# KiCad board ice60-rounded.kicad_pcb
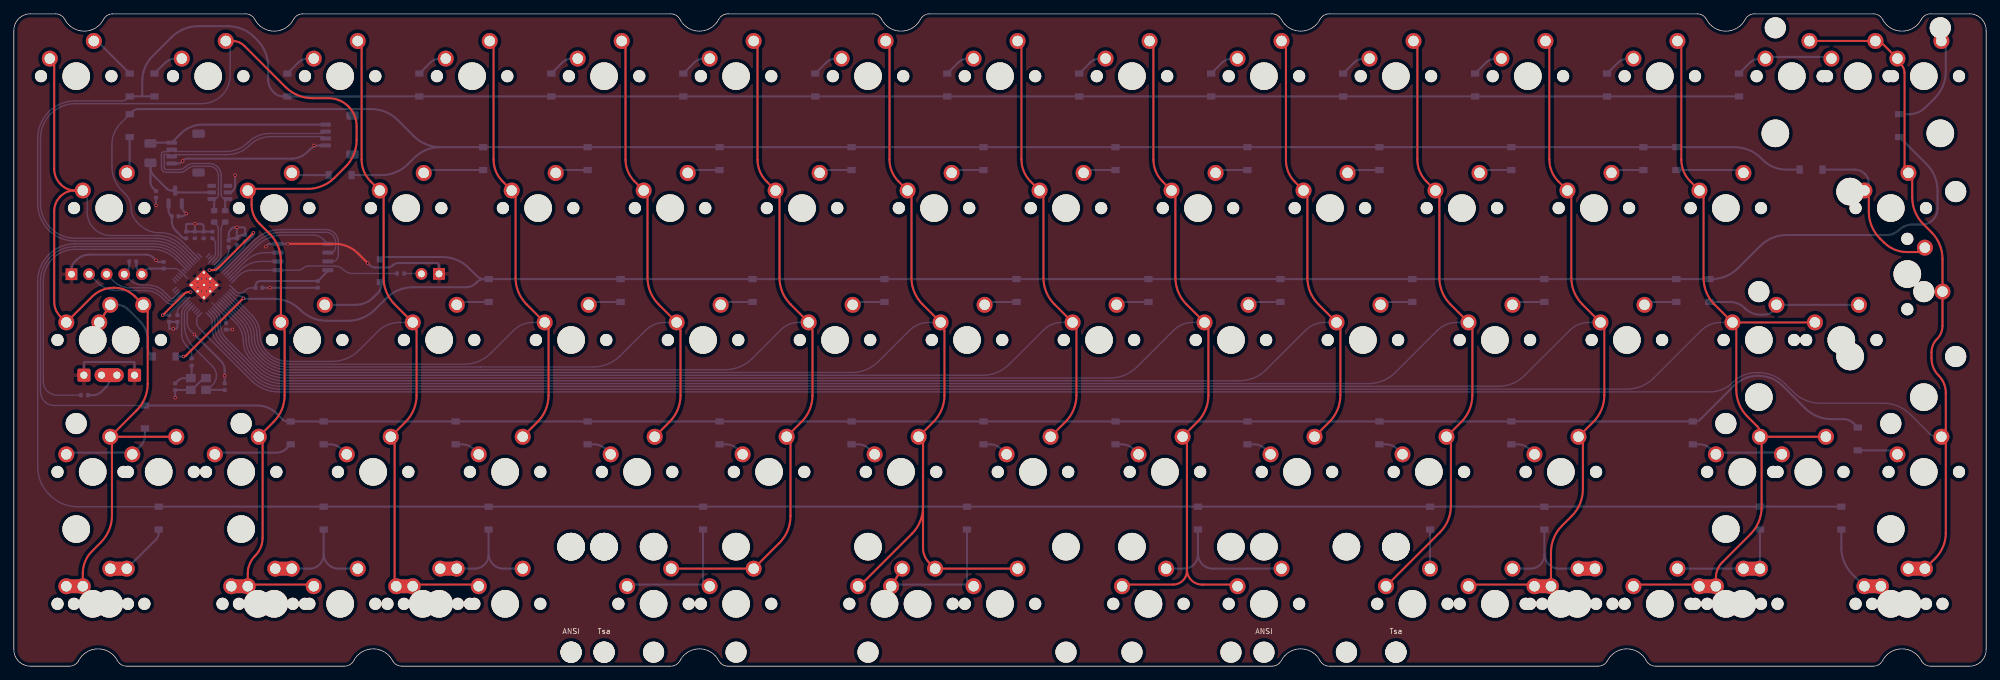
[diagram p0: board, top side]
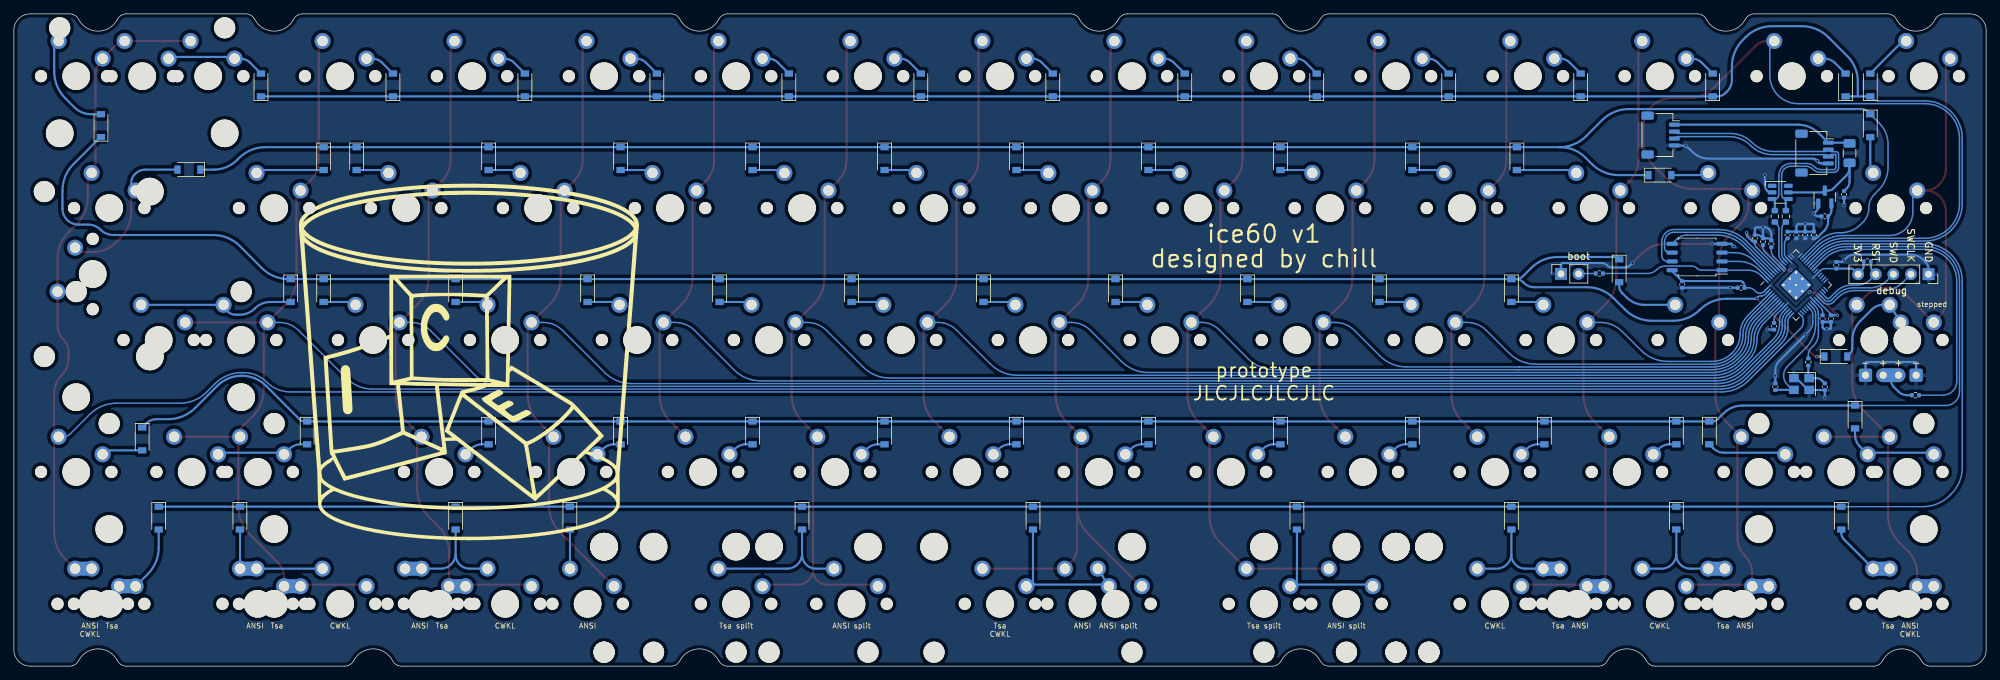
[diagram p1: board, bottom side, seen from below]

Outline 284.7 x 94.2 mm; copper layers: Top, Bottom. Coordinates in mm from the lower left corner of the outline.
Outline path: 0,91.82 0,2.38 arc(0.7,0.7) 2.38,0 8.03,0 arc(8.8,0.22) 9.36,0.81 arc(12.15,2.5) 14.94,0.81 arc(15.5,0.22) 16.27,0 47.74,0 arc(48.52,0.22) 49.07,0.81 arc(51.86,2.5) 54.66,0.81 arc(55.21,0.22) 55.99,0 94.83,0 arc(95.6,0.22) 96.16,0.81 arc(98.95,2.5) 101.74,0.81 arc(102.3,0.22) 103.07,0 181.63,0 arc(182.4,0.22) 182.96,0.81 arc(185.75,2.5) 188.54,0.81 arc(189.1,0.22) 189.87,0 228.71,0 arc(229.49,0.22) 230.04,0.81 arc(232.84,2.5) 235.63,0.81 arc(236.18,0.22) 236.96,0 268.43,0 arc(269.2,0.22) 269.76,0.81 arc(272.55,2.5) 275.34,0.81 arc(275.9,0.22) 276.67,0 282.32,0 arc(284,0.7) 284.7,2.38 284.7,91.82 arc(284,93.5) 282.32,94.2 276.67,94.2 arc(275.9,93.98) 275.34,93.39 arc(272.55,91.7) 269.76,93.39 arc(269.2,93.98) 268.43,94.2 251.25,94.2 arc(250.47,93.98) 249.92,93.39 arc(247.12,91.7) 244.33,93.39 arc(243.78,93.98) 243,94.2 189.87,94.2 arc(189.1,93.98) 188.54,93.39 arc(185.75,91.7) 182.96,93.39 arc(182.4,93.98) 181.63,94.2 132.19,94.2 arc(131.41,93.98) 130.86,93.39 arc(128.06,91.7) 125.27,93.39 arc(124.72,93.98) 123.94,94.2 103.07,94.2 arc(102.3,93.98) 101.74,93.39 arc(98.95,91.7) 96.16,93.39 arc(95.6,93.98) 94.83,94.2 41.7,94.2 arc(40.92,93.98) 40.37,93.39 arc(37.58,91.7) 34.78,93.39 arc(34.23,93.98) 33.45,94.2 14.27,94.2 arc(13.5,93.98) 12.94,93.39 arc(10.15,91.7) 7.36,93.39 arc(6.8,93.98) 6.03,94.2 2.38,94.2 arc(0.7,93.5) 0,91.82
Stack: Top 0.035mm / dielectric 1.51mm FR4 er 4.5 / Bottom 0.035mm

## Placement (name value [footprint] x y rotation side)
C1  100nF  [C_0402_1005Metric]  43.87 55.12 270 bottom
C2  1uF  [C_0402_1005Metric]  20.51 68.13 90 bottom
C3  1uF  [C_0402_1005Metric]  23.29 64.96 180 bottom
C4  22pF  [C_0402_1005Metric]  30.43 40.35 270 bottom
C5  22pF  [C_0402_1005Metric]  23.29 40.35 90 bottom
C6  1uF  [C_0402_1005Metric]  33.39 61.79 90 bottom
C7  100nF  [C_0402_1005Metric]  28.66 62.26 90 bottom
C8  100nF  [C_0402_1005Metric]  22.41 50.19 270 bottom
C9  4.7uF  [C_0402_1005Metric]  24.88 62.26 90 bottom
C10  1uF  [C_0402_1005Metric]  35.38 54.64 0 bottom
C11  100nF  [C_0402_1005Metric]  26.12 62.26 90 bottom
C12  100nF  [C_0402_1005Metric]  32.2 61.31 90 bottom
C13  100nF  [C_0402_1005Metric]  21.62 57.89 90 bottom
C14  100nF  [C_0402_1005Metric]  23.6 50.19 270 bottom
C15  100nF  [C_0402_1005Metric]  27.39 62.26 90 bottom
C16  100nF  [C_0402_1005Metric]  31.01 60.99 90 bottom
C17  100nF  [C_0402_1005Metric]  30.61 49.09 270 bottom
D1  D_Small  [D_SOD-123]  16.72 83.93 90 bottom
D2  D_Small  [D_SOD-123]  20.29 83.93 90 bottom
D3  D_Small  [D_SOD-123]  39.48 83.93 90 bottom
D4  D_Small  [D_SOD-123]  58.53 83.93 90 bottom
D5  D_Small  [D_SOD-123]  77.58 83.93 90 bottom
D6  D_Small  [D_SOD-123]  96.63 83.93 90 bottom
D7  D_Small  [D_SOD-123]  115.68 83.93 90 bottom
D8  D_Small  [D_SOD-123]  134.73 83.93 90 bottom
D9  D_Small  [D_SOD-123]  153.78 83.93 90 bottom
D10  D_Small  [D_SOD-123]  172.83 83.93 90 bottom
D11  D_Small  [D_SOD-123]  191.88 83.93 90 bottom
D12  D_Small  [D_SOD-123]  210.93 83.93 90 bottom
D13  D_Small  [D_SOD-123]  229.98 83.93 90 bottom
D14  D_Small  [D_SOD-123]  249.03 83.93 90 bottom
D15  D_Small  [D_SOD-123]  16.72 78.06 270 bottom
D16  D_Small  [D_SOD-123]  47.1 70.91 180 bottom
D17  D_Small  [D_SOD-123]  67.74 73.29 270 bottom
D18  D_Small  [D_SOD-123]  82.82 73.29 270 bottom
D19  D_Small  [D_SOD-123]  101.87 73.29 270 bottom
D20  D_Small  [D_SOD-123]  120.92 73.29 270 bottom
D21  D_Small  [D_SOD-123]  139.97 73.29 270 bottom
D22  D_Small  [D_SOD-123]  159.02 73.29 270 bottom
D23  D_Small  [D_SOD-123]  178.07 73.29 270 bottom
D24  D_Small  [D_SOD-123]  197.12 73.29 270 bottom
D25  D_Small  [D_SOD-123]  216.17 73.29 270 bottom
D26  D_Small  [D_SOD-123]  235.22 73.29 270 bottom
D27  D_Small  [D_SOD-123]  239.98 73.29 270 bottom
D28  D_Small  [D_SOD-123]  259.43 71.71 0 bottom
D29  D_Small  [D_SOD-123]  21.7 44.72 180 bottom
D30  D_Small  [D_SOD-123]  52.97 57.1 270 bottom
D31  D_Small  [D_SOD-123]  68.53 54.24 270 bottom
D32  D_Small  [D_SOD-123]  87.58 54.24 270 bottom
D33  D_Small  [D_SOD-123]  106.63 54.24 270 bottom
D34  D_Small  [D_SOD-123]  125.68 54.24 270 bottom
D35  D_Small  [D_SOD-123]  144.73 54.24 270 bottom
D36  D_Small  [D_SOD-123]  163.78 54.24 270 bottom
D37  D_Small  [D_SOD-123]  182.83 54.24 270 bottom
D38  D_Small  [D_SOD-123]  201.88 54.24 270 bottom
D39  D_Small  [D_SOD-123]  220.93 54.24 270 bottom
D40  D_Small  [D_SOD-123]  239.98 54.24 270 bottom
D41  D_Small  [D_SOD-123]  244.74 54.24 270 bottom
D42  D_Small  [D_SOD-123]  272.13 78.06 90 bottom
D43  D_Small  [D_SOD-123]  18.92 35.99 270 bottom
D44  D_Small  [D_SOD-123]  39.96 33.69 270 bottom
D45  D_Small  [D_SOD-123]  44.72 33.69 270 bottom
D46  D_Small  [D_SOD-123]  63.77 33.69 270 bottom
D47  D_Small  [D_SOD-123]  82.82 33.69 270 bottom
D48  D_Small  [D_SOD-123]  101.87 33.69 270 bottom
D49  D_Small  [D_SOD-123]  120.92 33.69 270 bottom
D50  D_Small  [D_SOD-123]  139.97 33.69 270 bottom
D51  D_Small  [D_SOD-123]  159.02 33.69 270 bottom
D52  D_Small  [D_SOD-123]  178.07 33.69 270 bottom
D53  D_Small  [D_SOD-123]  197.12 33.69 270 bottom
D54  D_Small  [D_SOD-123]  216.17 33.69 270 bottom
D55  D_Small  [D_SOD-123]  242.36 33.69 270 bottom
D56  D_Small  [D_SOD-123]  266.18 32.81 270 bottom
D57  D_Small  [D_SOD-123]  20.91 21.38 270 bottom
D58  D_Small  [D_SOD-123]  44.72 21.38 270 bottom
D59  D_Small  [D_SOD-123]  68.53 21.38 270 bottom
D60  D_Small  [D_SOD-123]  99.49 21.38 270 bottom
D61  D_Small  [D_SOD-123]  137.59 21.38 270 bottom
D62  D_Small  [D_SOD-123]  170.93 21.38 270 bottom
D63  D_Small  [D_SOD-123]  204.44 21.38 270 bottom
D64  D_Small  [D_SOD-123]  220.93 21.38 270 bottom
D65  D_Small  [D_SOD-123]  252.07 21.38 270 bottom
D66  D_Small  [D_SOD-123]  263.79 21.38 270 bottom
D67  LED  [LED_MX_3mm]  16.14 42.02 0 top
D68  LED  [LED_MX_3mm-FLIPPED]  11.38 42.02 0 top
F1  500mA  [Fuse_1206_3216Metric]  19.72 74.09 270 bottom
G***  -  [LOGO]  218.95 43.92 180 bottom
J1  SWD  [PinSocket_1x05_P2.54mm_Vertical]  8.32 56.6 270 bottom
J2  JST SH 4-pin  [JST_SH_SM04B-SRSS-TB_1x04-1MP_P1.00mm_Horizontal]  24.78 74.09 270 bottom
J2#2  JST SH 4-pin  [JST_SH_SM04B-SRSS-TB_1x04-1MP_P1.00mm_Horizontal]  47 76.7 270 bottom
R1  1k  [R_0402_1005Metric]  17.16 58.43 180 bottom
R2  27R  [R_0603_1608Metric]  30.5 64.96 270 bottom
R3  27R  [R_0603_1608Metric]  28.92 64.96 270 bottom
R4  1k  [R_0402_1005Metric]  55.83 56.7 180 bottom
R5  1k  [R_0402_1005Metric]  25.67 43.92 90 bottom
R6  470R  [R_0402_1005Metric]  10.19 39.13 0 bottom
REF**  -  [STAB_MX_6.25u]  130.44 9 180 top
REF**#2  -  [STAB_MX_ISO_FLIPPED]  273.32 56.62 0 top
REF**#3  -  [STAB_MX_2.25u]  263.79 47.1 0 top
REF**#4  -  [STAB_MX_2.25u]  20.91 28.05 0 top
REF**#5  -  [STAB_MX_2.75u]  163.78 9 180 top
REF**#6  -  [STAB_MX_2u]  266.18 85.2 0 top
REF**#7  -  [STAB_MX_2.25u]  92.34 9 180 top
REF**#8  -  [STAB_MX_2.75u]  259.03 28.05 0 top
REF**#9  -  [STAB_MX_7u]  142.35 9 180 top
REF**#10  -  [STAB_MX_3u]  180.45 9 180 top
REF**#11  -  [STAB_MX_3u]  104.25 9 180 top
REF**#12  -  [STAB_MX_6.25u]  142.35 9 180 top
SW0  SW_Push  [PinSocket_1x02_P2.54mm_Vertical]  61.37 56.65 90 bottom
SW1  MX_SW_solder  [SW_MX_1u]  9 85.2 0 top
SW2  MX_SW_solder  [SW_MX_1u]  28.05 85.2 0 top
SW3  MX_SW_solder  [SW_MX_1u]  47.1 85.2 0 top
SW4  MX_SW_solder  [SW_MX_1u]  66.15 85.2 0 top
SW5  MX_SW_solder  [SW_MX_1u]  85.2 85.2 0 top
SW6  MX_SW_solder  [SW_MX_1u]  104.25 85.2 0 top
SW7  MX_SW_solder  [SW_MX_1u]  123.3 85.2 0 top
SW8  MX_SW_solder  [SW_MX_1u]  142.35 85.2 0 top
SW9  MX_SW_solder  [SW_MX_1u]  161.4 85.2 0 top
SW10  MX_SW_solder  [SW_MX_1u]  180.45 85.2 0 top
SW11  MX_SW_solder  [SW_MX_1u]  199.5 85.2 0 top
SW12  MX_SW_solder  [SW_MX_1u]  218.55 85.2 0 top
SW13  MX_SW_solder  [SW_MX_1u]  237.6 85.2 0 top
SW14  MX_SW_solder  [SW_MX_1u]  256.65 85.2 0 top
SW15  MX_SW_solder  [SW_MX_1u]  266.18 85.2 0 top
SW16  MX_SW_solder  [SW_MX_1.5u]  13.76 66.15 0 top
SW17  MX_SW_solder  [SW_MX_1u]  37.58 66.15 0 top
SW18  MX_SW_solder  [SW_MX_1u]  56.62 66.15 0 top
SW19  MX_SW_solder  [SW_MX_1u]  75.67 66.15 0 top
SW20  MX_SW_solder  [SW_MX_1u]  94.73 66.15 0 top
SW21  MX_SW_solder  [SW_MX_1u]  113.77 66.15 0 top
SW22  MX_SW_solder  [SW_MX_1u]  132.82 66.15 0 top
SW23  MX_SW_solder  [SW_MX_1u]  151.88 66.15 0 top
SW24  MX_SW_solder  [SW_MX_1u]  170.93 66.15 0 top
SW25  MX_SW_solder  [SW_MX_1u]  189.98 66.15 0 top
SW26  MX_SW_solder  [SW_MX_1u]  209.02 66.15 0 top
SW27  MX_SW_solder  [SW_MX_1u]  228.07 66.15 0 top
SW28  MX_SW_solder  [SW_MX_1u]  247.12 66.15 0 top
SW29  MX_SW_solder  [SW_MX_1.5u]  270.94 66.15 0 top
SW30  MX_SW_solder  [SW_MX_1u]  273.32 56.62 270 top
SW31  MX_SW_solder  [SW_MX_1.75u_stp]  11.38 47.1 0 top
SW32  MX_SW_solder  [SW_MX_1.75u]  16.14 47.1 0 top
SW33  MX_SW_solder  [SW_MX_1u]  42.34 47.1 0 top
SW34  MX_SW_solder  [SW_MX_1u]  61.39 47.1 0 top
SW35  MX_SW_solder  [SW_MX_1u]  80.44 47.1 0 top
SW36  MX_SW_solder  [SW_MX_1u]  99.49 47.1 0 top
SW37  MX_SW_solder  [SW_MX_1u]  118.54 47.1 0 top
SW38  MX_SW_solder  [SW_MX_1u]  137.59 47.1 0 top
SW39  MX_SW_solder  [SW_MX_1u]  156.64 47.1 0 top
SW40  MX_SW_solder  [SW_MX_1u]  175.69 47.1 0 top
SW41  MX_SW_solder  [SW_MX_1u]  194.74 47.1 0 top
SW42  MX_SW_solder  [SW_MX_1u]  213.79 47.1 0 top
SW43  MX_SW_solder  [SW_MX_1u]  232.84 47.1 0 top
SW44  MX_SW_solder  [SW_MX_1u]  251.89 47.1 0 top
SW45  MX_SW_solder  [SW_MX_1u]  263.79 47.1 0 top
SW46  MX_SW_solder  [SW_MX_1u]  275.7 85.2 0 top
SW47  MX_SW_solder  [SW_MX_1.25u]  11.38 28.05 0 top
SW48  MX_SW_solder  [SW_MX_1u]  20.91 28.05 0 top
SW49  MX_SW_solder  [SW_MX_1u]  32.81 28.05 0 top
SW50  MX_SW_solder  [SW_MX_1u]  51.86 28.05 0 top
SW51  MX_SW_solder  [SW_MX_1u]  70.91 28.05 0 top
SW52  MX_SW_solder  [SW_MX_1u]  89.96 28.05 0 top
SW53  MX_SW_solder  [SW_MX_1u]  109.01 28.05 0 top
SW54  MX_SW_solder  [SW_MX_1u]  128.06 28.05 0 top
SW55  MX_SW_solder  [SW_MX_1u]  147.11 28.05 0 top
SW56  MX_SW_solder  [SW_MX_1u]  166.16 28.05 0 top
SW57  MX_SW_solder  [SW_MX_1u]  185.21 28.05 0 top
SW58  MX_SW_solder  [SW_MX_1u]  204.26 28.05 0 top
SW59  MX_SW_solder  [SW_MX_1u]  223.31 28.05 0 top
SW60  MX_SW_solder  [SW_MX_1.75u]  249.51 28.05 0 top
SW61  MX_SW_solder  [SW_MX_1u]  259.03 28.05 0 top
SW62  MX_SW_solder  [SW_MX_1u]  275.7 28.05 0 top
SW63  MX_SW_solder  [SW_MX_1.25u]  11.38 9 0 top
SW64  MX_SW_solder  [SW_MX_1.5u]  13.76 9 0 top
SW65  MX_SW_solder  [SW_MX_1.25u]  35.19 9 0 top
SW66  MX_SW_solder  [SW_MX_1u]  37.58 9 0 top
SW67  MX_SW_solder  [SW_MX_1.25u]  47.1 9 0 top
SW68  MX_SW_solder  [SW_MX_1.25u]  59.01 9 0 top
SW69  MX_SW_solder  [SW_MX_1.5u]  61.39 9 0 top
SW70  MX_SW_solder  [SW_MX_1.25u]  70.91 9 0 top
SW71  MX_SW_solder  [SW_MX_1u]  92.34 9 0 top
SW72  MX_SW_solder  [SW_MX_1u]  104.25 9 0 top
SW73  MX_SW_solder  [SW_MX_1u]  130.44 9 0 top
SW74  MX_SW_solder  [SW_MX_1.25u]  125.68 9 0 top
SW75  MX_SW_solder  [SW_MX_1u]  142.35 9 0 top
SW76  MX_SW_solder  [SW_MX_1u]  163.78 9 0 top
SW77  MX_SW_solder  [SW_MX_1u]  180.45 9 0 top
SW78  MX_SW_solder  [SW_MX_1.25u]  201.88 9 0 top
SW79  MX_SW_solder  [SW_MX_1.25u]  225.69 9 0 top
SW80  MX_SW_solder  [SW_MX_1.5u]  223.31 9 0 top
SW81  MX_SW_solder  [SW_MX_1.25u]  213.79 9 0 top
SW82  MX_SW_solder  [SW_MX_1.25u]  249.51 9 0 top
SW83  MX_SW_solder  [SW_MX_1u]  247.12 9 0 top
SW84  MX_SW_solder  [SW_MX_1.25u]  237.6 9 0 top
SW85  MX_SW_solder  [SW_MX_1.25u]  273.32 9 0 top
SW86  MX_SW_solder  [SW_MX_1.5u]  270.94 9 0 top
U1  RP2040  [RP2040-QFN-56]  27.44 55.04 135 bottom
U2  W25Q128JVS  [SOIC-8_5.23x5.23mm_P1.27mm]  41.73 59.09 0 bottom
U3  XC6206PxxxMR  [SOT-23]  23.29 67.74 90 bottom
U4  SRV05-4  [SOT-23-6-routable]  29.73 68.41 180 bottom
Y1  12MHz  [Crystal_SMD_3225-4Pin_3.2x2.5mm]  26.64 40.75 0 bottom

## Library data of the parts
C1 C7 C8 C11-C17 = -: LCSC: C1525
C2 C3 C6 C10 = -: LCSC: C52923
C4 C5 = -: LCSC: C1555
C9 = -: LCSC: C15525
D1-D66 = -: LCSC: C81598
F1 = -: LCSC: C135342
J2 J2#2 = -: LCSC: C160404; Field5: JST
R1 R4 R5 = -: LCSC: C11702
R2 R3 = -: LCSC: C25190
R6 = -: LCSC: C25117
REF**#12 = -: Field4: CWKL; Field5: CWKL
SW71 SW72 SW74 SW76 SW77 = -: Field5: split
U1 = -: LCSC: C2040
U2 = -: LCSC: C131025
U3 = -: LCSC: C5446
U4 = -: LCSC: C85364
Y1 = -: LCSC: C9002

## Footprints (pads in the part's own frame, mm; a bottom-side part is the same pattern mirrored in y, then rotated)
C_0402_1005Metric
  rrect 0.56x0.62 smd: 1(-0.48,0) 2(0.48,0)
Crystal_SMD_3225-4Pin_3.2x2.5mm
  rect 1.4x1.2 smd: 1(-1.1,-0.85) 2(1.1,-0.85) 3(1.1,0.85) 4(-1.1,0.85)
D_SOD-123
  rect 0.9x1.2 smd: 1(-1.65,0) 2(1.65,0)
Fuse_1206_3216Metric
  rrect 1.25x1.75 smd: 1(-1.4,0) 2(1.4,0)
JST_SH_SM04B-SRSS-TB_1x04-1MP_P1.00mm_Horizontal
  rrect 0.6x1.55 smd: 1(-1.5,2) 2(-0.5,2) 3(0.5,2) 4(1.5,2)
  rrect 1.2x1.8 smd: MP(-2.8,-1.875) MP(2.8,-1.875)
LED_MX_3mm
  rrect 1.905x1.905 hole 1.04: 1(1.27,0)
  round 1.905 hole 1.04: 2(-1.27,0)
LED_MX_3mm-FLIPPED
  rrect 1.905x1.905 hole 1.04: 1(-1.27,0)
  round 1.905 hole 1.04: 2(1.27,0)
PinSocket_1x02_P2.54mm_Vertical
  rect 1.7x1.7 hole 1: 1(0,0)
  oval 1.7x1.7 hole 1: 2(0,-2.54)
PinSocket_1x05_P2.54mm_Vertical
  rect 1.7x1.7 hole 1: 1(0,0)
  oval 1.7x1.7 hole 1: 2(0,-2.54) 3(0,-5.08) 4(0,-7.62) 5(0,-10.16)
R_0402_1005Metric
  rrect 0.54x0.64 smd: 1(-0.51,0) 2(0.51,0)
R_0603_1608Metric
  rrect 0.8x0.95 smd: 1(-0.825,0) 2(0.825,0)
RP2040-QFN-56
  rrect 1.084x1.084 smd: (-0.637,-0.637) (-0.637,0.637) (0.637,-0.637) (0.637,0.637)
  rrect 0.875x0.2 smd: 1(-3.438,2.6) 2(-3.438,2.2) 3(-3.438,1.8) 4(-3.438,1.4) 5(-3.438,1) 6(-3.438,0.6) 7(-3.438,0.2) 8(-3.438,-0.2) 9(-3.438,-0.6) 10(-3.438,-1) 11(-3.438,-1.4) 12(-3.438,-1.8) 13(-3.438,-2.2) 14(-3.438,-2.6) 29(3.438,-2.6) 30(3.438,-2.2) 31(3.438,-1.8) 32(3.438,-1.4) 33(3.438,-1) 34(3.438,-0.6) 35(3.438,-0.2) 36(3.438,0.2) 37(3.438,0.6) 38(3.438,1) 39(3.438,1.4) 40(3.438,1.8) 41(3.438,2.2) 42(3.438,2.6)
  rrect 0.2x0.875 smd: 15(-2.6,-3.438) 16(-2.2,-3.438) 17(-1.8,-3.438) 18(-1.4,-3.438) 19(-1,-3.438) 20(-0.6,-3.438) 21(-0.2,-3.438) 22(0.2,-3.438) 23(0.6,-3.438) 24(1,-3.438) 25(1.4,-3.438) 26(1.8,-3.438) 27(2.2,-3.438) 28(2.6,-3.438) 43(2.6,3.438) 44(2.2,3.438) 45(1.8,3.438) 46(1.4,3.438) 47(1,3.438) 48(0.6,3.438) 49(0.2,3.438) 50(-0.2,3.438) 51(-0.6,3.438) 52(-1,3.438) 53(-1.4,3.438) 54(-1.8,3.438) 55(-2.2,3.438) 56(-2.6,3.438)
  round 0.6 hole 0.35: 57(-1.275,-1.275) 57(-1.275,0) 57(-1.275,1.275) 57(0,-1.275) 57(0,0) 57(0,1.275) 57(1.275,-1.275) 57(1.275,0) 57(1.275,1.275)
  rrect 3.2x3.2 smd: 57(0,0)
SOIC-8_5.23x5.23mm_P1.27mm
  rrect 1.6x0.6 smd: 1(-3.6,1.905) 2(-3.6,0.635) 3(-3.6,-0.635) 4(-3.6,-1.905) 5(3.6,-1.905) 6(3.6,-0.635) 7(3.6,0.635) 8(3.6,1.905)
SOT-23
  rrect 1.475x0.6 smd: 1(-0.938,0.95) 2(-0.938,-0.95) 3(0.938,0)
SOT-23-6-routable
  rrect 1.25x0.6 smd: 1(-1.175,0.95) 2(-1.175,0) 3(-1.175,-0.95) 4(1.175,-0.95) 5(1.175,0) 6(1.175,0.95)
STAB_MX_2.25u
  round 3.048 hole 3.048 unplated: (-11.906,6.985) (11.906,6.985)
  round 3.988 hole 3.988 unplated: (-11.906,-8.255) (11.906,-8.255)
STAB_MX_2.75u
  round 3.048 hole 3.048 unplated: (-11.906,6.985) (11.906,6.985)
  round 3.988 hole 3.988 unplated: (-11.906,-8.255) (11.906,-8.255)
STAB_MX_2u
  round 3.048 hole 3.048 unplated: (-11.906,6.985) (11.906,6.985)
  round 3.988 hole 3.988 unplated: (-11.906,-8.255) (11.906,-8.255)
STAB_MX_3u
  round 3.048 hole 3.048 unplated: (-19.05,6.985) (19.05,6.985)
  round 3.988 hole 3.988 unplated: (-19.05,-8.255) (19.05,-8.255)
STAB_MX_6.25u
  round 3.048 hole 3.048 unplated: (-50.006,6.985) (50.006,6.985)
  round 3.988 hole 3.988 unplated: (-50.006,-8.255) (50.006,-8.255)
STAB_MX_7u
  round 3.048 hole 3.048 unplated: (-57.15,6.985) (57.15,6.985)
  round 3.988 hole 3.988 unplated: (-57.15,-8.255) (57.15,-8.255)
STAB_MX_ISO_FLIPPED
  round 3.988 hole 3.988 unplated: (-8.255,11.906) (-8.255,-11.906)
  round 3.048 hole 3.048 unplated: (6.985,11.906) (6.985,-11.906)
SW_MX_1.5u
  round 1.75 hole 1.75 unplated: (-5.08,0) (5.08,0)
  round 3.988 hole 3.988 unplated: (0,0)
  round 2.3 hole 1.524: 1(-3.81,2.54) 2(2.54,5.08)
SW_MX_1.25u
  round 1.75 hole 1.75 unplated: (-5.08,0) (5.08,0)
  round 3.988 hole 3.988 unplated: (0,0)
  round 2.3 hole 1.524: 1(-3.81,2.54) 2(2.54,5.08)
SW_MX_1.75u
  round 1.75 hole 1.75 unplated: (-5.08,0) (5.08,0)
  round 3.988 hole 3.988 unplated: (0,0)
  round 2.3 hole 1.524: 1(-3.81,2.54) 2(2.54,5.08)
SW_MX_1.75u_stp
  round 1.75 hole 1.75 unplated: (-5.08,0) (5.08,0)
  round 3.988 hole 3.988 unplated: (0,0)
  round 2.3 hole 1.524: 1(-3.81,2.54) 2(2.54,5.08)
SW_MX_1u
  round 1.75 hole 1.75 unplated: (-5.08,0) (5.08,0)
  round 3.988 hole 3.988 unplated: (0,0)
  round 2.3 hole 1.524: 1(-3.81,2.54) 2(2.54,5.08)

## Nets
+1V1: C6.1 C7.1 C8.1 U1.23 U1.45 U1.50
+3V3: C1.1 C3.2 C9.1 C10.1 C11.1 C12.1 C13.1 C14.1 C15.1 C16.1 C17.1 J1.5 R1.1 U1.1 U1.10 U1.22 U1.33 U1.42 U1.43 U1.44 U1.48 U1.49 U2.8 U3.2
+5V: C2.2 F1.2 U3.3 U4.5
GND: C1.2 C2.1 C3.1 C4.1 C5.1 C6.2 C7.2 C8.2 C9.2 C10.2 C11.2 C12.2 C13.2 C14.2 C15.2 C16.2 C17.2 D67.1 D68.1 J1.1 J2.4 J2#2.4 SW0.1 U1.19 U1.57 U2.4 U3.1 U4.2 Y1.2 Y1.4
VBUS: F1.1 J2.1 J2#2.1
/D_+: R2.2 U1.47
/D_-: R3.2 U1.46
/XTAL_O: C5.2 R5.1 Y1.1
/~{USB_BOOT}: R4.1 SW0.2
CAPSLCK: R6.1 U1.35
COL00: SW1.1 SW16.1 SW31.1 SW32.2 SW47.2 SW48.2 SW63.1 SW64.1 U1.40
COL01: SW2.2 SW17.1 SW33.1 SW49.2 SW65.1 SW66.1 SW67.1 U1.39
COL02: SW3.2 SW18.1 SW34.1 SW50.2 SW68.1 SW69.1 SW70.1 U1.3
COL03: SW4.2 SW19.1 SW35.1 SW51.2 U1.4
COL04: SW5.2 SW20.1 SW36.1 SW52.2 U1.5
COL05: SW6.2 SW21.1 SW37.1 SW53.2 SW71.2 SW72.2 U1.6
COL06: SW7.2 SW22.1 SW38.1 SW54.2 SW73.2 SW74.1 SW75.2 U1.7
COL07: SW8.2 SW23.1 SW39.1 SW55.2 U1.8
COL08: SW9.2 SW24.1 SW40.1 SW56.2 SW76.1 SW77.1 U1.9
COL09: SW10.2 SW25.1 SW41.1 SW57.2 U1.11
COL10: SW11.2 SW26.1 SW42.1 SW58.2 SW78.1 U1.12
COL11: SW12.2 SW27.1 SW43.1 SW59.2 SW79.1 SW80.1 SW81.1 U1.13
COL12: SW13.2 SW28.1 SW44.1 SW45.1 SW60.2 SW61.2 SW82.1 SW83.1 SW84.1 U1.14
COL13: SW14.2 SW15.2 SW29.2 SW30.2 SW46.1 SW62.2 SW85.2 SW86.2 U1.15
CS: R4.2 U1.56 U2.1
D_N: J2.2 J2#2.2 R3.1 U4.4
D_P: J2.3 J2#2.3 R2.1 U4.3
QSPI_CLK: U1.52 U2.6
ROW0: D1.1 D2.1 D3.1 D4.1 D5.1 D6.1 D7.1 D8.1 D9.1 D10.1 D11.1 D12.1 D13.1 D14.1 U1.38
ROW1: D15.1 D16.1 D17.1 D18.1 D19.1 D20.1 D21.1 D22.1 D23.1 D24.1 D25.1 D26.1 D27.1 D28.1 U1.41
ROW2: D29.1 D30.1 D31.1 D32.1 D33.1 D34.1 D35.1 D36.1 D37.1 D38.1 D39.1 D40.1 D41.1 D42.1 U1.2
ROW3: D43.1 D44.1 D45.1 D46.1 D47.1 D48.1 D49.1 D50.1 D51.1 D52.1 D53.1 D54.1 D55.1 D56.1 U1.36
ROW4: D57.1 D58.1 D59.1 D60.1 D61.1 D62.1 D63.1 D64.1 D65.1 D66.1 U1.37
SD0: U1.53 U2.5
SD1: U1.55 U2.2
SD2: U1.54 U2.3
SD3: U1.51 U2.7
SWCLK: J1.2 U1.24
SWD: J1.3 U1.25
XTAL_IN: C4.2 U1.20 Y1.3
XTAL_OUT: R5.2 U1.21
~{RESET}: J1.4 R1.2 U1.26
Net-(D1-Pad2): D1.2 SW1.2
Net-(D2-Pad2): D2.2 SW2.1
Net-(D3-Pad2): D3.2 SW3.1
Net-(D4-Pad2): D4.2 SW4.1
Net-(D5-Pad2): D5.2 SW5.1
Net-(D6-Pad2): D6.2 SW6.1
Net-(D7-Pad2): D7.2 SW7.1
Net-(D8-Pad2): D8.2 SW8.1
Net-(D9-Pad2): D9.2 SW9.1
Net-(D10-Pad2): D10.2 SW10.1
Net-(D11-Pad2): D11.2 SW11.1
Net-(D12-Pad2): D12.2 SW12.1
Net-(D13-Pad2): D13.2 SW13.1
Net-(D14-Pad2): D14.2 SW14.1 SW15.1
Net-(D15-Pad2): D15.2 SW16.2
Net-(D16-Pad2): D16.2 SW17.2
Net-(D17-Pad2): D17.2 SW18.2
Net-(D18-Pad2): D18.2 SW19.2
Net-(D19-Pad2): D19.2 SW20.2
Net-(D20-Pad2): D20.2 SW21.2
Net-(D21-Pad2): D21.2 SW22.2
Net-(D22-Pad2): D22.2 SW23.2
Net-(D23-Pad2): D23.2 SW24.2
Net-(D24-Pad2): D24.2 SW25.2
Net-(D25-Pad2): D25.2 SW26.2
Net-(D26-Pad2): D26.2 SW27.2
Net-(D27-Pad2): D27.2 SW28.2
Net-(D28-Pad2): D28.2 SW29.1 SW30.1
Net-(D29-Pad2): D29.2 SW31.2 SW32.1
Net-(D30-Pad2): D30.2 SW33.2
Net-(D31-Pad2): D31.2 SW34.2
Net-(D32-Pad2): D32.2 SW35.2
Net-(D33-Pad2): D33.2 SW36.2
Net-(D34-Pad2): D34.2 SW37.2
Net-(D35-Pad2): D35.2 SW38.2
Net-(D36-Pad2): D36.2 SW39.2
Net-(D37-Pad2): D37.2 SW40.2
Net-(D38-Pad2): D38.2 SW41.2
Net-(D39-Pad2): D39.2 SW42.2
Net-(D40-Pad2): D40.2 SW43.2
Net-(D41-Pad2): D41.2 SW44.2 SW45.2
Net-(D42-Pad2): D42.2 SW46.2
Net-(D43-Pad2): D43.2 SW47.1 SW48.1
Net-(D44-Pad2): D44.2 SW49.1
Net-(D45-Pad2): D45.2 SW50.1
Net-(D46-Pad2): D46.2 SW51.1
Net-(D47-Pad2): D47.2 SW52.1
Net-(D48-Pad2): D48.2 SW53.1
Net-(D49-Pad2): D49.2 SW54.1
Net-(D50-Pad2): D50.2 SW55.1
Net-(D51-Pad2): D51.2 SW56.1
Net-(D52-Pad2): D52.2 SW57.1
Net-(D53-Pad2): D53.2 SW58.1
Net-(D54-Pad2): D54.2 SW59.1
Net-(D55-Pad2): D55.2 SW60.1 SW61.1
Net-(D56-Pad2): D56.2 SW62.1
Net-(D57-Pad2): D57.2 SW63.2 SW64.2
Net-(D58-Pad2): D58.2 SW65.2 SW66.2 SW67.2
Net-(D59-Pad2): D59.2 SW68.2 SW69.2 SW70.2
Net-(D60-Pad2): D60.2 SW71.1 SW72.1
Net-(D61-Pad2): D61.2 SW73.1 SW74.2 SW75.1
Net-(D62-Pad2): D62.2 SW76.2 SW77.2
Net-(D63-Pad2): D63.2 SW78.2
Net-(D64-Pad2): D64.2 SW79.2 SW80.2 SW81.2
Net-(D65-Pad2): D65.2 SW82.2 SW83.2 SW84.2
Net-(D66-Pad2): D66.2 SW85.1 SW86.1
Net-(D67-Pad2): D67.2 D68.2 R6.2

Pads without a net: J2 MP; J2#2 MP; U1 16 17 18 27 28 29 30 31 32 34; U4 1 6

## Via types
v1: diameter 0.5, hole 0.3, Top to Bottom, 23 vias
